# Altium PCB Inverter2beta.PcbDoc (part 1 of 5) (continued)
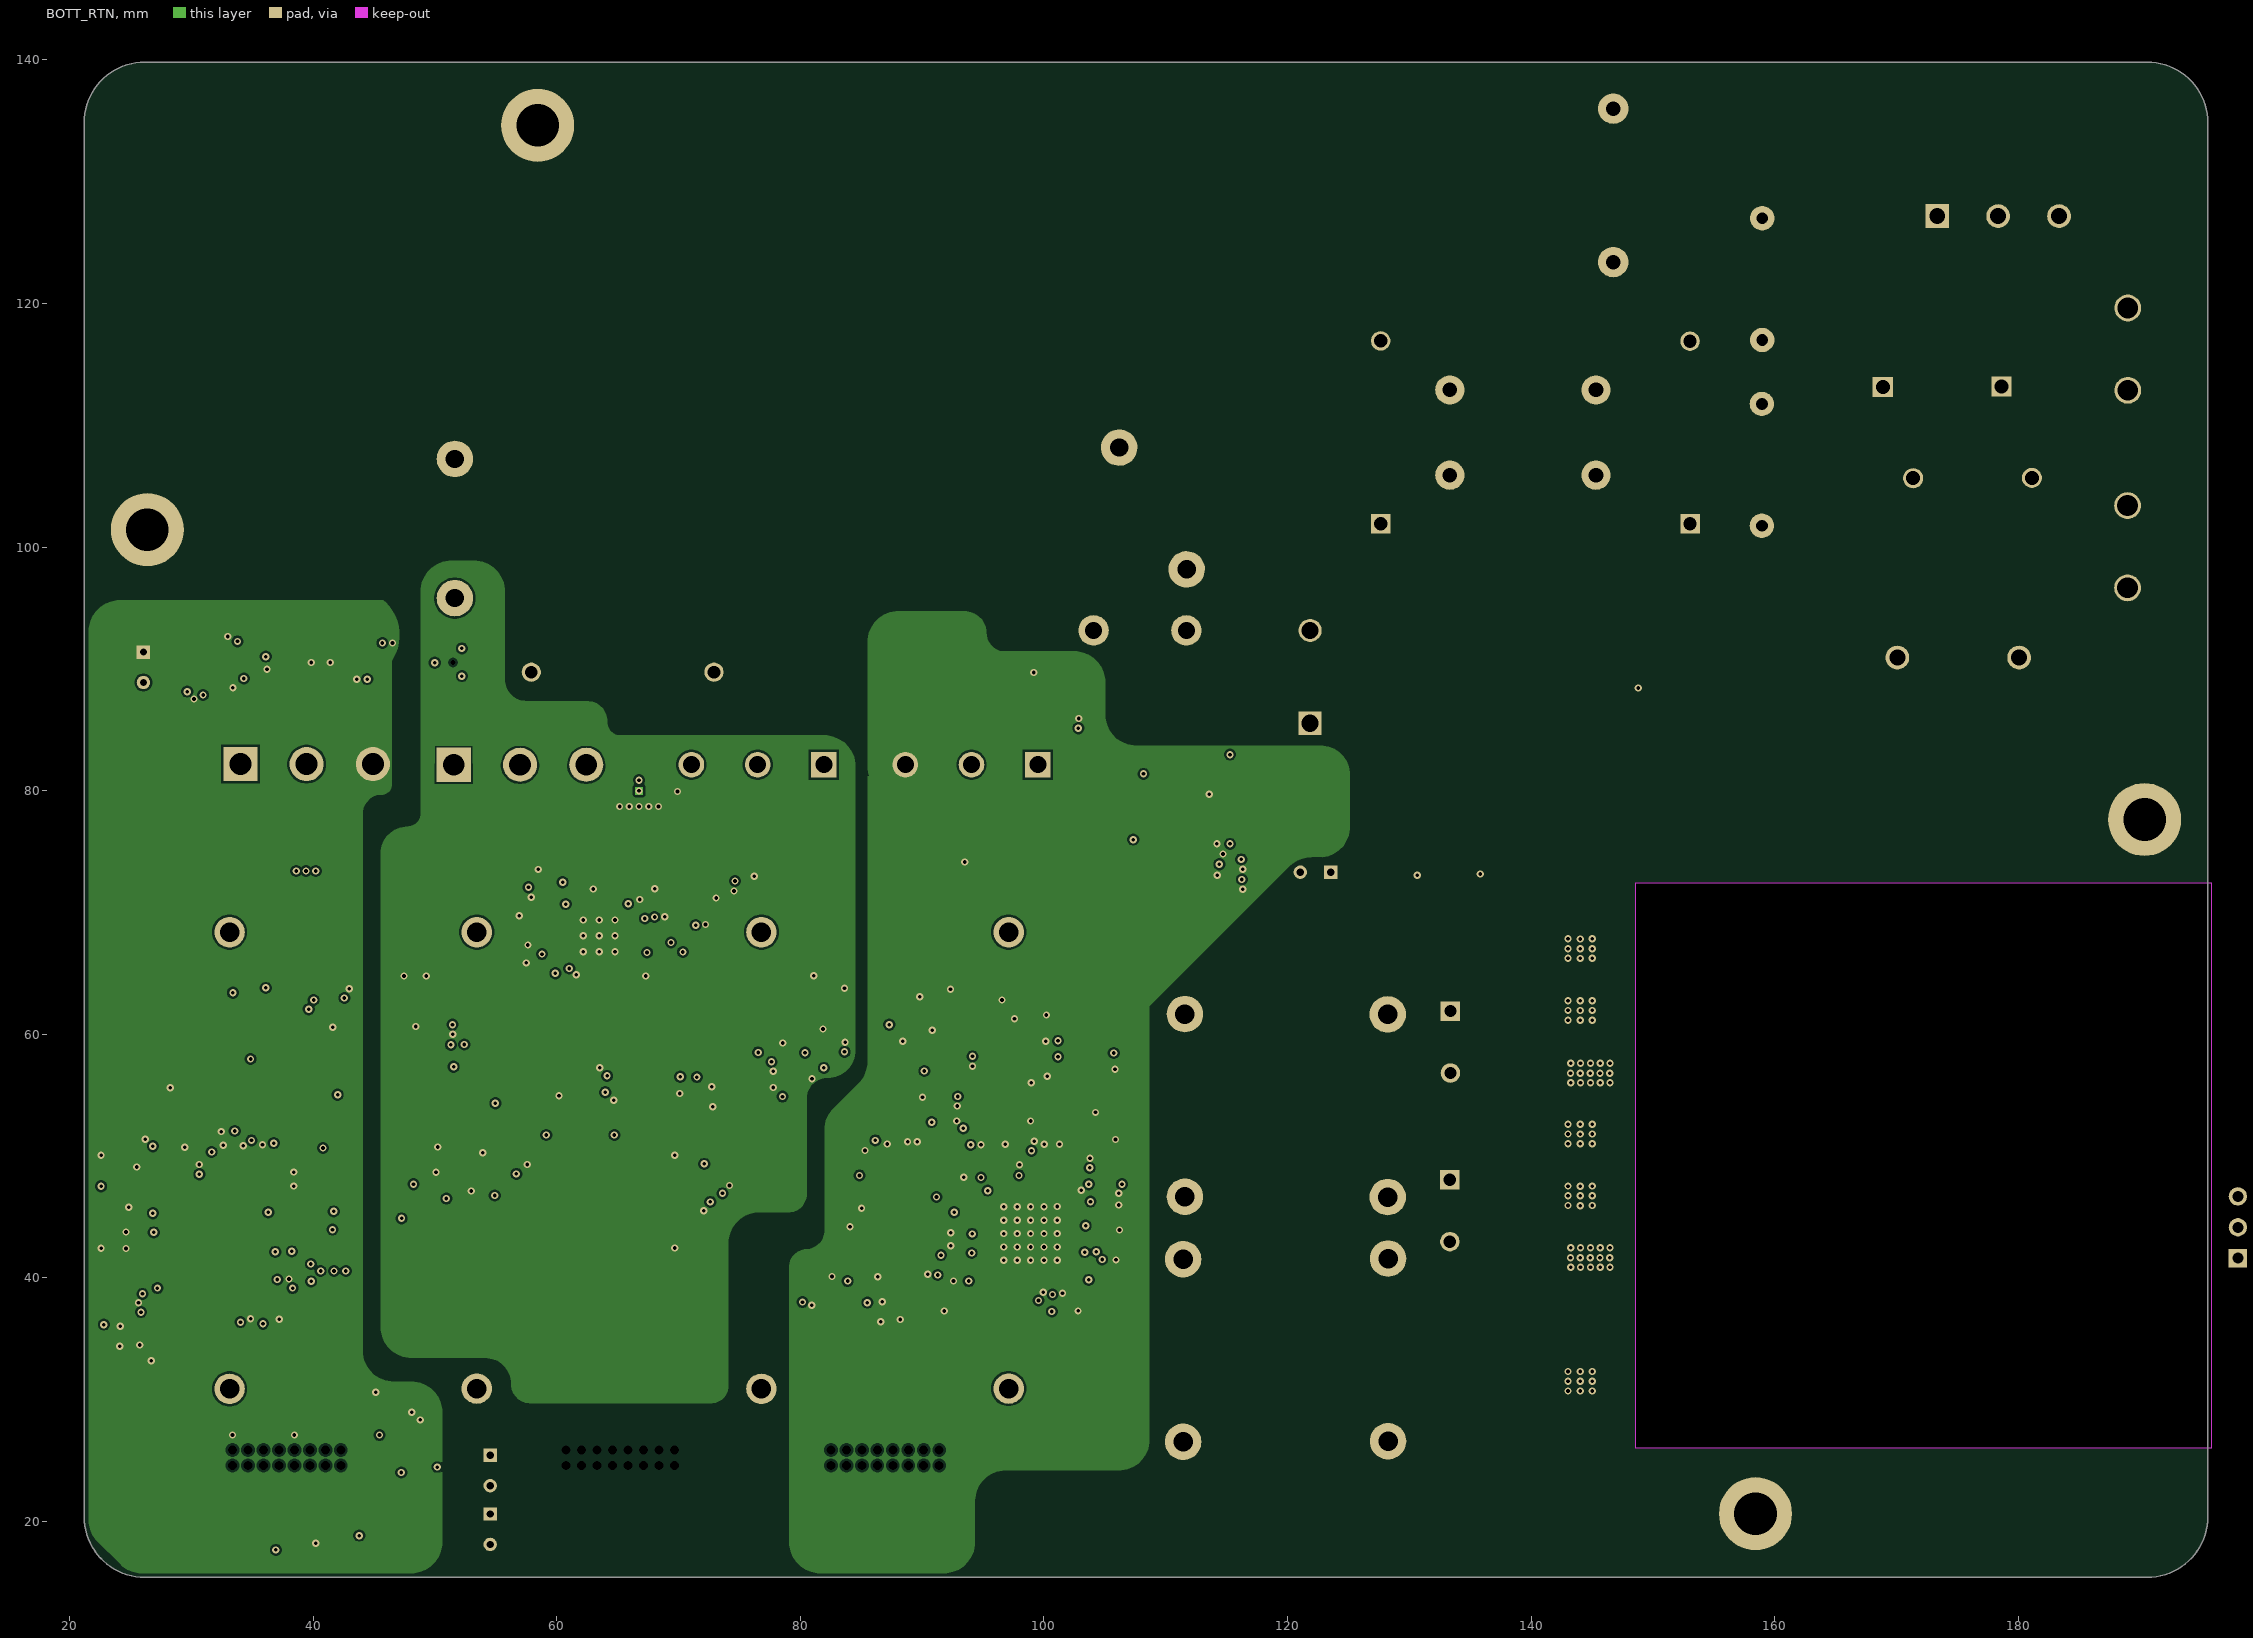
[diagram p3: BOTT_RTN]

## Layer stack, top to bottom
Top Solder: solder mask 0.0102, Solder Resist, Dk 3.5
Top Layer: signal copper 0.0356
Dielectric 2: prepreg 0.2, PP-006, Dk 4.1
TOP_RTN: signal copper 0.0175
Dielectric 1: dielectric 1, FR-4, Dk 4.8
BOTT_RTN: signal copper 0.0175
Dielectric 3: prepreg 0.2, PP-006, Dk 4.1
Bottom Layer: signal copper 0.0356
Bottom Solder: solder mask 0.0102, Solder Resist, Dk 3.5

## Board outline
21.175,20.4 ccw(c26.175,20.4) 26.175,15.4 190.65,15.4 190.579,15.396 ccw(c190.579,20.396) 195.579,20.396 195.575,20.425 195.575,134.85 195.575,134.825 ccw(c190.575,134.825) 190.575,139.825 26.175,139.825 ccw(c26.175,134.825) 21.175,134.825 21.175,134.85
cut-out: 148.6,72.425 195.85,72.425 195.85,26.012 148.6,26.012

## Design rules (kind name [scope] priority, off if disabled: settings)
Clearance Clearance_3 [InNetClass('BOTT')] p1: gap=0.178 ignorepadtopadclearanceinfootprint=FALSE
Clearance Clearance_1 [(InNetClass('HVDC+')   OR  InNetClass('HVDC-')) vs (OnLayer('Top Layer') OR OnLayer('Bottom Layer'))] p2: gap=1.8 ignorepadtopadclearanceinfootprint=FALSE except(0.2: SMDPad-SMDPad)
Clearance Clearance_5 [InNetClass('GRID+')] p3: gap=0.178 ignorepadtopadclearanceinfootprint=FALSE
Clearance "Schematic Clearance Constraint" [InComponent('IC1')] p4: gap=0.191 ignorepadtopadclearanceinfootprint=FALSE
Clearance Clearance_2 [InNetClass('GRID+')  OR InNetClass('GRID-')] p5: gap=2 ignorepadtopadclearanceinfootprint=FALSE except(0.254: SMDPad-SMDPad)
Clearance Clearance_4 [InNetClass('HVDC') vs (OnLayer('TOP_RTN') OR OnLayer('BOTT_RTN'))] p6: gap=0.5 ignorepadtopadclearanceinfootprint=FALSE
Clearance [All] p7: gap=0.178 ignorepadtopadclearanceinfootprint=FALSE
HoleSize [All] p1: absolutevalues=TRUE maxlimit=5 minlimit=0.025 maxpercent=80.000 minpercent=20.000
PolygonConnect [All] p1: connectstyle=Direct reliefconductorwidth=0.254 reliefentries=4 polygonreliefangle="90 Angle" airgapwidth=0.254
RoutingVias [All] p1: holewidth=0.3 width=0.6 viastyle="Through Hole" minholewidth=0.3 minwidth=0.6 maxholewidth=2 maxwidth=1.27
SolderMaskExpansion [All] p1: expansion=0.06 istentingtop=FALSE
Width [All] p1: maxlimit=20 minlimit=0.178 preferedwidth=0.254
29 further rules are at their usual default settings.

## Classes and differential pairs
net class BOTT: BOTT_GND BOTT_TRIG_ADC BOTT_TWO_LEVEL_TIM1_CH2_4 BOTT_TWO_LEVEL_TIM1_CH2N DAC1_4 DRV_HF_MOS DRV_LF_MOS EN_DCDC_BOOST_4 HV_ADC1_IN4_4 HV_OPAMP1_COMP1_IN_4 HV_OPAMP1_OUT_4 IHV_ADC2_IN4_COMP2_INP_4 IHV_OPAMP2_IN+_4 IHV_OPAMP2_IN-_4 IHV_OPAMP2_OUT_4 NCHP_TIM8_CH1_4 NetC10_1 NetC43_2 NetC47_1 NetC47_2 NetC49_2 NetC61_1 NetC61_2 NetC74_2 NetC75_2 NetC76_2 NetC81_1 NetC82_2 NetC86_2 NetC87_2 NetC88_1 NetC88_2 NetC91_2 NetC92_2 NetC98_1 NetC116_1 NetC116_2 NetC138_1 NetCONN_BOTT_1 NetCONN_BOTT_2 NetCONN_BOTT_3 NetCONN_BOTT_4 NetCONN_BOTT_5 NetCONN_BOTT_6 NetCONN_BOTT_7 NetCONN_BOTT_8 NetCONN_BOTT_9 NetCONN_BOTT_10 NetCONN_BOTT_11 NetCONN_BOTT_12 NetCONN_BOTT_13 NetCONN_BOTT_14 NetCONN_BOTT_15 NetCONN_BOTT_16 NetD6_1 NetD7_1 NetD24_1 NetD24_2 NetD27_3 NetIC1_31 NetIC4_5 NetIC4_6 NetIC4_7 NetJ1_1 NetJ1_2 NetJ1_3 NetJ1_4 NetJ1_5 NetLED1_1 NetP2_6 NetQ8_3 NetQ9_2 NetQ9_5 NetQ10_1 NetQ10_3 NetQ11_1 NetQ11_3 NetQ12_1 NetQ12_3 NetR71_1 NetR74_1 NetR105_1 NetR105_2 NetR108_2 NetR138_1 NetR144_1 NetR147_1 NetR147_2 NetR148_1 NetR149_2 NetR150_1 NetU2_1 NetU2_2 NetU10_1 NetU10_2 NRST_4 OV_HV_DCDC SPI_MISO_BOTT SPI_MOSI_BOTT SPI_SCK_BOTT STATUS1_4 SWCLK_4 SWDIO_4 TMON_NTC1_4 TMON_NTC2_4 V_3V3A V_3V3D V_3VN V_5VP V_16VP V_400VDC VDDB_BOTT VH_BOTT_HF_MOS VH_BOTT_LF_MOS VMID_BOTT VMON_MOS_DRV_4
net class HVDC-: BOTT_GND NetC1_1
net class GRID+: L_GRID L_GRID_BF_RELAY NetF2_1
net class HVDC+: INV_IND_SHUNT- NetD3_2 NetF4_1 V_400VDC
net class GRID-: INV_RTN_SHUNT- N_GRID NetC16_2
component class TOP_LF_MOS: C30 C41 C50 C51 C52 C60 C65 C66 C67 C72 C93 C94 C95 C96 C97 C99 C102 C103 C104 C105 C106 C107 C108 C109 C110 C111 C112 C113 C121 C122 C123 C124 C125 C126 C127 C128 C129 C130 C132 C141 C143 C144 C145 C146 C147 C148 C149 C150 C151 C152 C153 C154 C155 C156 C158 C160 C161 C162 C163 CONN_VAC D11 D12 D22 D30 D31 D32 FB8 FB10 FB11 FB12 FB14 FB19 IC6 J3 L5 LED3 NTC4 P4 Q13 Q14 Q15 Q19 Q20 Q21 R16 R18 R40 R45 R46 R47 R49 R52 R56 R80 R83 R89 R90 R91 R92 R93 R94 R96 R97 R98 R101 R102 R110 R111 R112 R115 R116 R119 R129 R130 R131 R132 R133 R134 R135 R136 R137 R139 R140 R141 R142 R143 R172 R173 R174 R175 R176 R177 R178 R179 R180 R181 R183 R184 R185 R186 R187 R188 R189 R190 R191 R192 R193 R194 R198 R199 R200 R201 R202 R203 R204 R205 R206 R207 R209 R216 U14 U15 U16 U17 U18 U19 U20 U21 U22
component class TOP_HF_MOS: C7 C9 C11 C12 C13 C14 C15 C20 C21 C22 C23 C24 C25 C26 C27 C28 C29 C31 C32 C34 C36 C39 C40 C44 C46 C62 C63 C64 C68 C69 C70 C71 C73 C100 C101 C131 C133 C139 C140 C157 C159 C164 C165 C166 C167 C168 C169 C170 C171 C172 C173 C174 CONN_TOP D1 D2 D5 D9 D21 D23 FB2 FB9 FB13 FB15 FB17 FB18 IC2 J2 L1 LED2 NTC1 NTC5 Q1 Q2 Q4 Q5 Q6 Q7 R1 R6 R7 R8 R11 R15 R17 R19 R21 R22 R23 R24 R25 R30 R31 R32 R33 R34 R35 R36 R41 R42 R44 R54 R55 R57 R58 R61 R62 R63 R64 R65 R66 R67 R72 R73 R75 R77 R82 R84 R109 R113 R114 R117 R118 R120 R182 R208 R210 R211 R212 R213 R214 R215 R217 U4 U6 U7 U8 U9 U23 U24 U25
component class BOTT_MOS: C10 C42 C43 C45 C47 C48 C49 C53 C54 C55 C56 C57 C58 C59 C61 C74 C75 C76 C77 C78 C79 C80 C81 C82 C85 C86 C87 C88 C89 C90 C91 C92 C98 C114 C115 C116 C117 C118 C119 C120 C135 C136 C137 C138 C142 CONN_BOTT D6 D7 D24 D25 D26 D27 FB1 FB3 FB4 FB5 FB6 FB7 FB16 IC1 IC4 J1 L4 LED1 NTC2 NTC3 Q3 Q8 Q9 Q10 Q11 Q12 Q18 R10 R69 R70 R71 R74 R76 R79 R81 R85 R86 R87 R88 R95 R99 R100 R103 R104 R105 R106 R107 R108 R121 R122 R123 R124 R125 R126 R127 R128 R138 R144 R145 R146 R147 R148 R149 R150 R151 R153 R154 R155 R156 R157 R158 R159 R160 R161 R162 R163 R164 R165 R166 R167 R168 R169 R170 R171 R195 U2 U3 U10 U11 U12 U13
component class Inverter: C1 C2 C3 C4 C5 C6 C8 C16 C17 C18 C19 C33 C35 C37 C38 C83 C84 C134 CMC1 D3 D4 D8 D10 D13 D14 D15 D16 D17 D18 D19 D20 D39 D40 F1 F2 F4 GDT1 GMOV GRID GRID- K1 L2 L3 P3 Q16 Q17 Q23 Q24 Q25 R2 R3 R4 R5 R9 R12 R13 R14 R20 R26 R27 R28 R29 R37 R38 R39 R43 R48 R50 R51 R53 R59 R60 R68 R78 R152 R196 R197 R218 R219 Rcsn RELAY T2 TP7 TP9 TP10 TP25 TP26 U1 U5 U?

## Components (designator, comment, footprint, x,y, rotation, side; value= is the part's Value field where it differs from the comment)
C1 "1uF" ECW-FE2W105K 119.75,34.075 r0 bottom
C2 "1uF" ECW-FE2W105K 119.725,54.125 r0 bottom
C3 "1uF" ECW-FE2W105K 119.925,34.025 r180 top
C4 "1uF" ECW-FE2W105K 120.075,54.15 r180 top
C5 "45 uF 500V" C4AQLLW5450A38K 76.8,68.375 r270 top value=45uF
C6 "45 uF 500V" C4AQLLW5450A38K 33.125,68.375 r270 top value=45uF
C7 "100nF" CAPC1608X90X35ML15T15 258.693,137.503 r0 top
C8 "B32672P5334K000" B32672P5334K000 213.8,19.9 r90 top
C9 "100nF" CAPC1608X90X35ML15T15 263.918,137.503 r0 top
C10 "1uF" CAPC2013X140X50LL20T25#1 86.65,13.225 r90 top
C11 "100nF" CAPC1608X90X35NL15T15#1 268.718,137.803 r0 top
C12 "100nF" CAPC1608X90X35NL15T15#1 23.55,35.225 r180 bottom
C13 "100nF" CAPC1608X90X35ML15T15 220.041,137.503 r0 top
C14 "100nF" CAPC1608X90X35ML15T15 225.616,137.503 r0 top
C15 "100nF" CAPC1608X90X35NL15T15#1 230.017,137.053 r90 top
C16 "100nF" TDK-B32922C3104K 127.65,109.425 r90 top
C17 "100nF" TDK-B32922C3104K 153.05,109.4 r90 top locked
C18 "100 nF" CAPC1608X90X40NL10T20 420.921,46.652 r90 top
C19 "100 nF" CAPC1608X90X40NL10T20 398.319,46.652 r90 top
C20 "4.7uF" SAMS-C0603-2_L#1 47.425,28.175 r270 bottom
C21 "4.7uF" SAMS-C0603-2_L#1 47.45,30.5 r90 bottom
C22 "4.7uF" CAPC2013X145X20NL20#1 44.05,19.2 r270 bottom
C23 "10uF 25V" CAPC3216X229X50LL20T25#1 45.975,21.45 r90 bottom
C24 "4.7uF" SAMS-C0603-2_L#1 49.275,27.65 r0 bottom
C25 "1uF" CAPC2013X135X45ML10T25 37.25,77.65 r90 bottom
C26 "100pF" CAPC1608X90X35NL10T15#1 40.8,61.25 r90 bottom
C27 "100pF" CAPC1608X90X35NL10T15#1 42.4,61.25 r90 bottom
C28 "1nF" CAPC1005X56X25NL10T15 25.725,42.425 r0 bottom
C29 "1nF" CAPC1005X56X25NL10T15 25.675,48.375 r0 bottom
C30 "100nF" SAMS-C0603-2_N#1 101.15,56.7 r90 bottom
C31 "1nF" CAPC1005X56X25LL10T15#1 240.137,22.651 r90 top
C32 "1nF" CAPC1608X90X35NL15T15#1 41,93.6 r90 bottom
C33 "560nF" R463I347040N0M 72.9,89.725 r180 top
C34 "1nF" CAPC1005X56X25LL10T15#1 28.882,50.377 r90 bottom
C35 "2.2nF" "CAPMF13.0x5.0x11.0x10.0mm LxWxHxP" 158.975,122 r270 top
C36 "1nF" CAPC1608X90X35LL15T15#1 44.4,90.55 r90 bottom
C37 "2.2nF" "CAPMF13.0x5.0x11.0x10.0mm LxWxHxP" 158.95,106.75 r90 top locked
C38 "10uF 25V" CAPC3216X229X50NL20T25 127,86.675 r270 top
C39 "1nF" CAPC1608X90X35NL15T15#1 41.025,87.425 r270 bottom
C40 "1nF" CAPC1005X56X25LL10T15#1 25.725,46.25 r0 bottom
C41 "100nF" SAMS-C0603-2_N#1 98.475,88.875 r180 bottom
C42 "4.7uF" CAPC2013X145X20NL20#2 57.15,48.85 r270 bottom
C43 "10uF 25V" CAPC3216X229X50LL20T25#2 59.075,51.4 r90 bottom
C44 "100nF" SAMS-C0603-2_N#1 25.65,39.975 r180 bottom
C45 "1nF" CAPC1005X56X25LL10T15#2 57.9,69.55 r0 bottom
C46 "100nF" CAPC1005X56X25NL10T15 25.725,43.75 r0 bottom
C47 "100pF" CAPC1608X90X35NL10T15#1 71.175,73.825 r180 bottom
C48 "47uF" CAPC2013X145X50LL20T25 67.35,73 r180 bottom
C49 "100nF" SAMS-C0603-2_N#2 69.35,72.25 r90 bottom
C50 "1nF" CAPC1608X90X35NL15T15#1 110.925,80.2 r90 bottom
C51 "1nF" CAPC1608X90X35NL15T15#1 570.978,87.704 r0 top
C52 "1nF" CAPC1608X90X35NL15T15#1 110.925,77.325 r270 bottom
C53 "100nF" CAPC1608X90X35LL15T15#2 306.32,102.577 r0 top
C54 "100nF" CAPC1608X90X35NL15T15#1 316.821,102.102 r90 top
C55 "100nF" CAPC1608X90X35NL15T15#1 322.671,102.102 r90 top
C56 "100nF" CAPC1608X90X35NL15T15#1 328.496,102.102 r90 top
C57 "100nF" CAPC1608X90X35NL15T15#1 270.318,102.102 r90 top
C58 "100nF" CAPC1608X90X35NL15T15#1 276.169,102.102 r90 top
C59 "100nF" CAPC1608X90X35NL15T15#1 281.994,102.102 r90 top
C60 "1nF" CAPC1608X90X35LL15T15#2 94.7,52.375 r270 bottom
C61 "100pF" CAPC1608X90X35NL10T15#1 76.2,51.425 r180 bottom
C62 "330nF" CAPC2013X135X45NL10T25 32.25,75.125 r90 bottom
C63 "100nF" CAPC1005X56X25NL10T15 37.95,48.075 r180 bottom
C64 "100nF" SAMS-C0603-2_N#1 35.875,49.5 r270 bottom
C65 "100nF" CAPC1005X56X25NL10T15 92.775,43.175 r0 bottom
C66 "100nF" SAMS-C0603-2_L#1 93.2,39 r180 bottom
C67 "100nF" SAMS-C0603-2_L#1 102.95,49.475 r270 bottom
C68 "100pF" CAPC1608X90X35NL10T15#2 39.775,54.375 r90 bottom
C69 "100nF" SAMS-C0603-2_L#1 34.175,49.5 r270 bottom
C70 "100nF" SAMS-C0603-2_N#1 41.175,54.35 r90 bottom
C71 "100nF" SAMS-C0603-2_N#1 37.325,60.975 r180 bottom
C72 "100nF" CAPC1005X56X25NL10T15 92.775,44.25 r0 bottom
C73 "100pF" CAPC1608X90X35NL10T15#2 25.825,30.4 r180 bottom
C74 "100pF" CAPC1608X90X35NL10T15#1 47.6,61.3 r90 bottom
C75 "330nF" CAPC2013X135X45NL10T25 47.85,75.25 r90 bottom
C76 "100pF" CAPC1608X90X35NL10T15#1 49.225,61.3 r90 bottom
C77 "100nF" CAPC1608X90X35LL15T15#1 58.125,66.575 r0 bottom
C78 "1nF" CAPC1005X56X25LL10T15#2 58.925,71.45 r0 bottom
C79 "100nF" SAMS-C0603-2_N#2 68.375,70.475 r180 bottom
C80 "1nF" CAPC1005X56X25LL10T15#2 66.625,71.7 r180 bottom
C81 "1uF" CAPC2013X135X45NL10T25 53.45,78.825 r90 bottom
C82 "100pF" CAPC1608X90X35NL10T15#1 81.075,61.1 r90 bottom
C83 "100pF" CAPC1608X90X40NL10T20 350.542,46.652 r90 top
C84 "100pF" CAPC1608X90X40NL10T20 273.763,46.652 r90 top
C85 "100nF" CAPC1608X90X35LL15T15#1 60.8,63.2 r270 bottom
C86 "100pF" CAPC1608X90X35NL10T15#1 82.625,61.125 r90 bottom
C87 "4.7uF" SAMS-C0603-2_L#2 50.025,50.05 r180 bottom
C88 "4.7uF" SAMS-C0603-2_L#2 52.35,50.075 r180 bottom
C89 "4.7uF" SAMS-C0603-2_L#2 49.35,47.975 r270 bottom
C90 "100nF" SAMS-C0603-2_N#2 73.35,56.675 r0 bottom
C91 "4.7uF 0805" CAPC2013X145X20NL20#2 73.125,54.75 r0 bottom
C92 "330nF" CAPC2013X135X45NL10T25 80.3,75.6 r90 bottom
C93 "100nF" CAPC1608X90X35NL15T15#1 342.147,157.279 r90 top
C94 "100nF" CAPC1608X90X35NL15T15#1 347.997,157.279 r90 top
C95 "100nF" CAPC1608X90X35NL15T15#1 353.823,157.279 r90 top
C96 "1uF" CAPC2013X140X50LL20T25#1 96.475,10.6 r90 top
C97 "4.7uF" CAPC2013X145X20NL20#1 84.575,48.625 r270 bottom
C98 "1uF" CAPC2013X135X45NL10T25 80.3,79.325 r90 bottom
C99 "100nF" CAPC1608X90X35ML15T15 330.396,157.729 r0 top
C100 "100nF" SAMS-C0603-2_N#1 26.375,35.225 r0 bottom
C101 "4.7uF 0805" CAPC2013X145X20NL20#1 26.7,32.775 r270 bottom
C102 "10uF 25V" CAPC3216X229X50LL20T25#1 86.475,51.175 r90 bottom
C103 "100nF" CAPC1608X90X35NL15T15#1 289.069,157.279 r90 top
C104 "100nF" CAPC1608X90X35NL15T15#1 296.17,157.279 r90 top
C105 "100nF" CAPC1608X90X35NL15T15#1 303.27,157.279 r90 top
C106 "4.7uF" SAMS-C0603-2_L#1 85.125,44.375 r270 bottom
C107 "100pF" CAPC1608X90X35NL10T15#2 83.75,34.4 r270 bottom
C108 "4.7uF" SAMS-C0603-2_L#1 83.95,41.4 r270 bottom
C109 "100nF" SAMS-C0603-2_N#1 86.175,38.725 r180 bottom
C110 "4.7uF" CAPC1608X90X35LL15T15#2 81.125,37.05 r0 bottom
C111 "4.7uF" SAMS-C0603-2_L#1 83.325,46.125 r180 bottom
C112 "330nF" CAPC2013X135X45NL10T25 97.425,75.6 r90 bottom
C113 "approved sub OK" CAPC2012X135N 97.75,79.375 r270 bottom value=1µ
C114 "100nF" CAPC1608X90X35LL15T15#3 58.175,64.6 r270 bottom
C115 "1nF" CAPC1005X56X25LL10T15#2 65.05,72.6 r0 bottom
C116 "1nF" CAPC1608X90X35LL15T15#1 62.925,76.575 r0 bottom
C117 "1nF" CAPC1005X56X25LL10T15#2 61.65,72.6 r180 bottom
C118 "1nF" CAPC1005X56X25LL10T15#2 63.375,72.6 r0 bottom
C119 "100nF" CAPC1608X90X35LL15T15#1 56.825,64.6 r270 bottom
C120 "100nF" CAPC1608X90X35LL15T15#1 58.125,68.05 r0 bottom
C121 "100pF" CAPC1608X90X35NL10T15#1 90.05,61.025 r90 bottom
C122 "100pF" CAPC1608X90X35NL10T15#1 91.6,61.025 r90 bottom
C123 "1nF" CAPC1608X90X35NL15T15#2 93.5,86.8 r270 bottom
C124 "1nF" CAPC1608X90X35LL15T15#1 90.325,89.975 r270 bottom
C125 "1nF" CAPC1608X90X35NL15T15#2 93.6,92.875 r90 bottom
C126 "1nF" CAPC1005X56X25NL10T15 94.025,47.625 r270 bottom
C127 "1nF" CAPC1005X56X25NL10T15 105.1,43.925 r180 bottom
C128 "100nF" SAMS-C0603-2_N#1 342.992,87.104 r90 top
C129 "100pF" CAPC1608X90X35NL10T15#2 106.775,54.375 r90 bottom
C130 "100nF" SAMS-C0603-2_L#1 101.35,49.5 r270 bottom
C131 "100nF" CAPC1005X56X25NL10T15 37.95,46.95 r180 bottom
C132 "100nF" SAMS-C0603-2_N#1 105.475,62.25 r180 bottom
C133 "1uF" CAPC2013X140X50LL20T25#1 37.8,18.4 r270 bottom
C134 "CAP 100nF 630V 1812(4532)" CAPC1812(4532)230_L 39.4,74.4 r90 top value=100nF
C135 "100nF" CAPC1608X90X35LL15T15#1 61.05,54.35 r270 bottom
C136 "100nF" CAPC1608X90X35LL15T15#1 50.125,65.2 r90 bottom
C137 "100nF" CAPC1608X90X35LL15T15#1 83.525,65.175 r90 bottom
C138 "1uF" CAPC2013X140X50LL20T25#2 54.7,47.85 r0 bottom
C139 "100nF" SAMS-C0603-2_N#2 36.925,90.525 r90 bottom
C140 "100nF" CAPC1608X90X35LL15T15#1 42.95,65.15 r90 bottom
C141 "100nF" CAPC1608X90X35LL15T15#1 92.525,65.125 r90 bottom
C142 "100nF" SAMS-C0603-2_N#3 69.95,78.475 r270 bottom
C143 "100nF" SAMS-C0603-2_N#1 106.775,57.25 r90 bottom
C144 "1nF" CAPC1005X56X25LL10T15#1 96.375,50.35 r90 bottom
C145 "1nF" CAPC1608X90X35NL15T15#1 118.75,80.925 r90 bottom
C146 "1nF" CAPC1608X90X35NL15T15#1 350.192,31.077 r90 top
C147 "1nF" CAPC1608X90X35NL15T15#1 118.75,77.95 r270 bottom
C148 "1nF" CAPC1005X56X25NL10T15 105.075,47 r180 bottom
C149 "1nF" CAPC1005X56X25LL10T15#1 96.825,49.1 r180 bottom
C150 "1nF" CAPC1005X56X25LL10T15#1 97.275,50.35 r270 bottom
C151 "1nF" CAPC1005X56X25NL10T15 105.075,46.05 r180 bottom
C152 "100nF" SAMS-C0603-2_L#1 96.7,57.3 r270 bottom
C153 "10uF" CAPC1608X90X35LL15T15#2 99.9,49.5 r270 bottom
C154 "100nF" SAMS-C0603-2_L#1 98.125,53.975 r180 bottom
C155 "100nF" SAMS-C0603-2_L#1 114.75,76.375 r0 bottom
C156 "1nF" CAPC1005X56X25LL10T15#1 197.085,19.401 r90 top
C157 "100nF" CAPC1608X90X35LL15T15#2 48.075,24.55 r270 bottom
C158 "100nF" CAPC1608X90X35LL15T15#2 89.275,54.275 r270 bottom
C159 "1uF" CAPC2013X140X50LL20T25#1 44.125,24.9 r90 bottom
C160 "1uF" CAPC2013X140X50LL20T25#1 87.275,55.575 r0 bottom
C161 "100nF" SAMS-C0603-2_L#1 93.2,40.45 r180 bottom
C162 "100nF" SAMS-C0603-2_L#1 105.325,40.725 r0 bottom
C163 "100nF" CAPC1005X56X25NL10T15 92.8,42.025 r0 bottom
C164 "1nF" CAPC1005X56X25LL10T15#1 29.45,49.1 r180 bottom
C165 "1nF" CAPC1005X56X25LL10T15#1 30.032,50.377 r270 bottom
C166 "100nF" SAMS-C0603-2_N#1 28.125,37.6 r270 bottom
C167 "100nF" SAMS-C0603-2_N#1 37.475,40.7 r0 bottom
C168 "100nF" SAMS-C0603-2_L#1 30.5,56.5 r270 bottom
C169 "10uF" CAPC1608X90X35LL15T15#2 32.675,49.5 r270 bottom
C170 "100nF" SAMS-C0603-2_L#1 32.275,53.325 r90 bottom
C171 "100nF" SAMS-C0603-2_L#1 34.85,56.55 r90 bottom
C172 "100nF" SAMS-C0603-2_N#1 37.4,63.85 r180 bottom
C173 "1nF" CAPC1005X56X25LL10T15#1 30.025,53.975 r270 bottom
C174 "1uF" CAPC2013X140X50LL20T25#1 37.8,21.175 r270 bottom
CMC1 "" DTS-20/0,47/7,0 133.325,112.9 r0 top locked
CONN_BOTT "CLP-108-02-F-D-BE" CLP-108-02-XXX-D-BE 65.2,25.225 r0 bottom
CONN_TOP "CLP-108-02-F-D-BE" CLP-108-02-XXX-D-BE 37.815,25.215 r0 bottom
CONN_VAC "CLP-108-02-F-D-BE" CLP-108-02-XXX-D-BE 86.95,25.225 r0 bottom
D1 "BAT54SWT1G" ONSC-SOT-323-3-419-04_V#1 49.275,29.925 r90 bottom
D2 "1N5819HW-7-F" DIOD-SOD-123-2_V#1 34.65,19.8 r270 bottom
D3 "IDH06G65C6XKSA1" INF-PG-TO220-2-1 133.375,59.35 r180 bottom
D4 "IDH06G65C6XKSA1" INF-PG-TO220-2-1 133.325,45.5 r180 bottom
D5 "1N5819HW-7-F" DIOD-SOD-123-2_V#1 41.025,19.8 r270 bottom
D6 "3V3" ONSC-SOD-523-2-502-01_V 68,63.8 r270 bottom
D7 "3V3" ONSC-SOD-523-2-502-01_V 66.6,63.8 r270 bottom
D8 "5V" ONSC-SOD-523-2-502-01_V 319.516,47.352 r0 top
D9 "BAT54SWT1" ONSC-SOT-323-3-419-04_V#2 42.575,90.525 r270 bottom
D10 "5V" ONSC-SOD-523-2-502-01_V 85.4,77.625 r90 bottom
D11 "3V3" ONSC-SOD-523-2-502-01_V 103.3,37.625 r270 bottom
D12 "3V3" ONSC-SOD-523-2-502-01_V 102.225,37.65 r270 bottom
D13 "15V" ONSC-SOD-523-2-502-01_V 32.3,79.7 r270 bottom
D14 "15V" ONSC-SOD-523-2-502-01_V 369.518,47.002 r90 top
D15 "5V" ONSC-SOD-523-2-502-01_V 32.275,77.7 r90 bottom
D16 "15V" ONSC-SOD-523-2-502-01_V 48.4,79.875 r270 bottom
D17 "15V" ONSC-SOD-523-2-502-01_V 85.4,79.7 r270 bottom
D18 "SZMMSZ4702T1G" ONSC-SOD-123-2-425-04_V 124.925,86.725 r270 top
D19 "1N5819HW-7-F" DIOD-SOD-123-2_V#2 124.9,91.625 r270 top
D20 "5V" ONSC-SOD-523-2-502-01_V 48.4,77.85 r90 bottom
D21 "3V3" ONSC-SOD-523-2-502-01_V 37.225,37.775 r270 bottom
D22 "BAT54SWT1G" ONSC-SOT-323-3-419-04_V#1 83.325,44 r270 bottom
D23 "3V3" ONSC-SOD-523-2-502-01_V 34.625,37.8 r270 bottom
D24 "BAT54CWT1G" ONSC-SOT-323-3-419-04_V#1 51.95,44.65 r180 bottom
D25 "BAT54SWT1G" ONSC-SOT-323-3-419-04_V#2 51.625,47.975 r0 bottom
D26 "BAT54SWT1G" ONSC-SOT-323-3-419-04_V#1 57.75,61.3 r270 bottom
D27 "BAT54SWT1G" ONSC-SOT-323-3-419-04_V#2 58.125,73.025 r180 bottom
D30 "BAT54SWT1" ONSC-SOT-323-3-419-04_V#2 92.2,89.85 r90 bottom
D31 "BAT54SWT1" ONSC-SOT-323-3-419-04_V#1 109.15,78.725 r270 bottom
D32 "BAT54SWT1" ONSC-SOT-323-3-419-04_V#1 120.6,79.3 r270 bottom
D39 "1.5SMC440CA" FP-1_5SMC-MFG 76.175,101.325 r90 top
D40 "1.5SMC510A" FAIR-DO-214AB-2_V 94.075,89.675 r270 top
F1 "3517" KSTN-3517-2_V 188.975,100.025 r90 top locked
F2 "3517" KSTN-3517-2_V 189,116.25 r90 top locked
F4 "0678H9100-02" FUSC9830X318N 141.75,56.825 r180 bottom
FB1 "100R" SMD-0603#1 68.35,74.4 r0 bottom
FB2 "100R" SMD-0603#2 37.4,62.475 r0 bottom
FB3 "100R" SMD-0603#2 334.372,102.027 r90 top
FB4 "100R" SMD-0603#1 48.2,49.25 r270 bottom
FB5 "100R" SMD-0603#1 47.625,72.125 r270 bottom
FB6 "100R" SMD-0603#1 75.625,55.775 r270 bottom
FB7 "100R" SMD-0603#1 78.7,75.65 r270 bottom
FB8 "100R" SMD-0603#2 91.9,10.85 r90 top
FB9 "100R" SMD-0603#2 45.55,27.525 r180 bottom
FB10 "100R" SMD-0603#2 86.325,44.55 r90 bottom
FB11 "100R" SMD-0603#2 102.25,62.275 r0 bottom
FB12 "100R" SMD-0603#2 83.625,38.725 r180 bottom
FB13 "100R" SMD-0603#2 28.475,33.3 r270 bottom
FB14 "100R" SMD-0603#1 95.925,75.6 r270 bottom
FB15 "100R" SMD-0603#2 36.35,18.375 r270 bottom
FB16 "100R" SMD-0603#1 56.9,52.25 r270 bottom
FB17 "100R" SMD-0603#1 31.025,72.825 r0 bottom
FB18 "100R" SMD-0603#2 46,24.9 r90 bottom
FB19 "100R" SMD-0603#2 87.325,53.925 r0 bottom
GDT1 "AC240" AC240 146.75,123.4 r90 top
GMOV "GMOV-20D271K" GMOV20D271K 170.075,90.925 r0 top locked